# KiCad board fpga.kicad_pcb (continued)
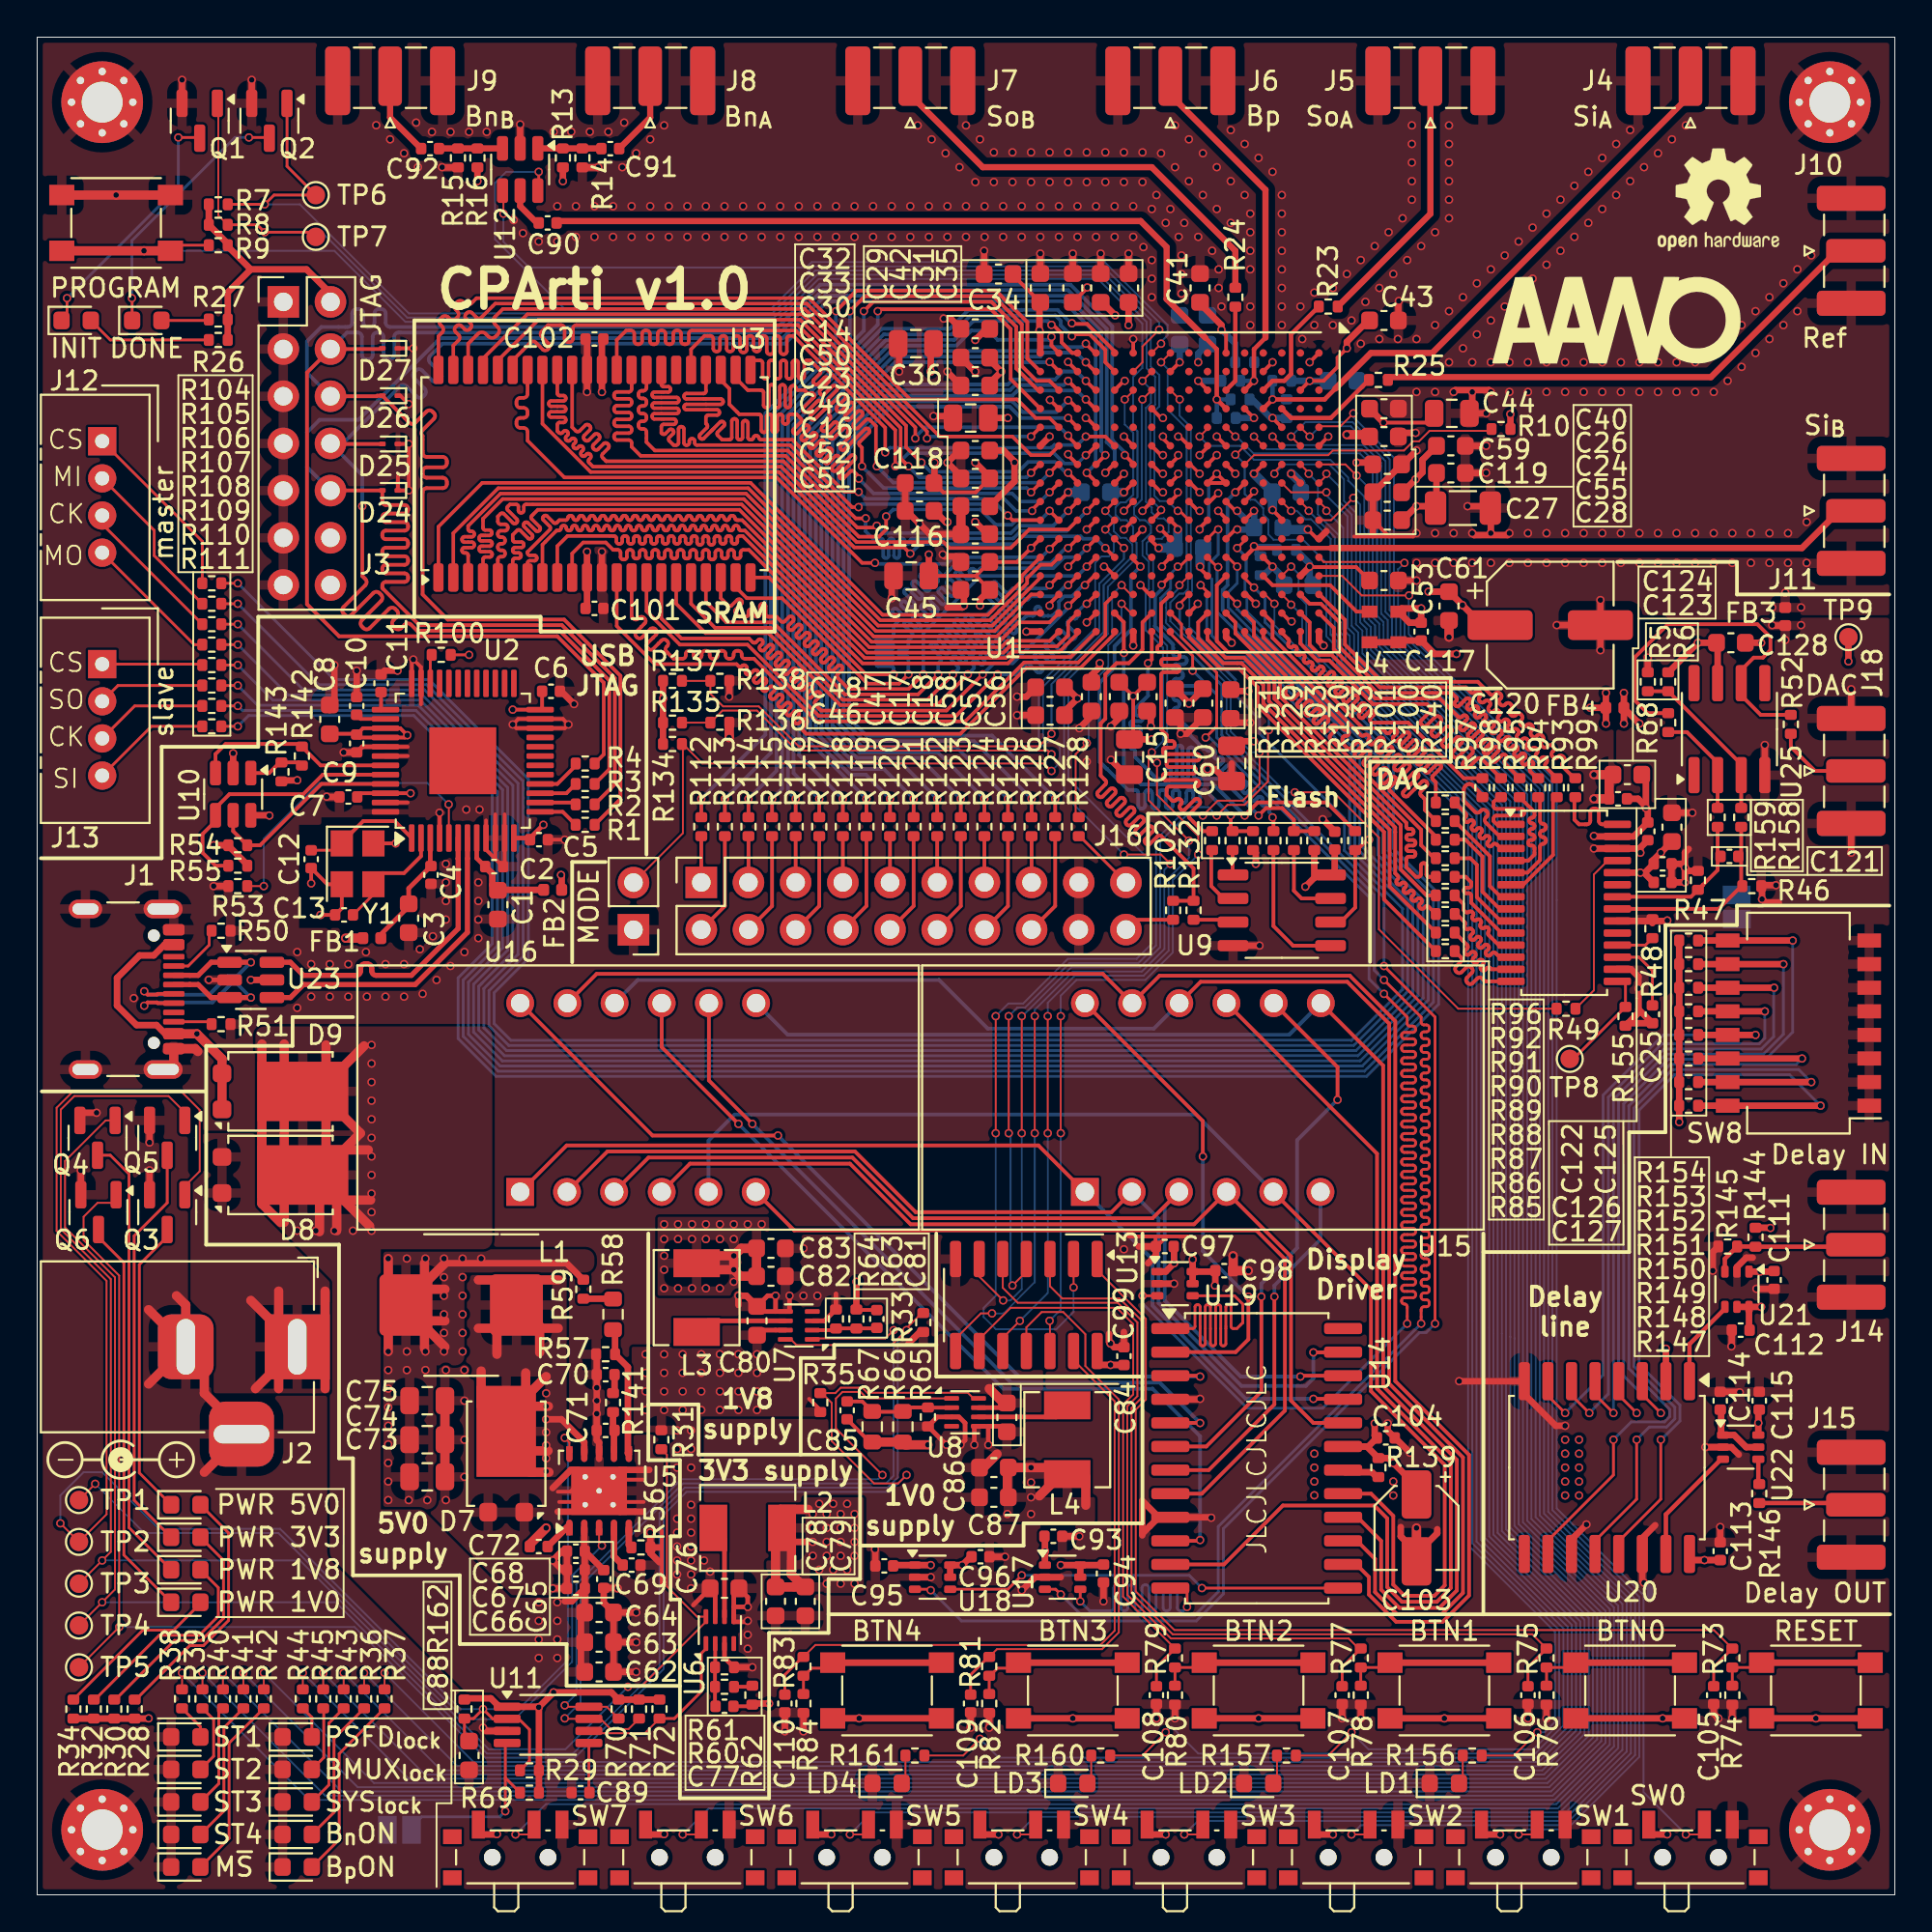
[diagram p0: board, top side]
## Routing (per net, layer and track width the routed paths; a pad name or vN(x,y) marks a point on that pad's centre or on a via; arc(x,y) is an arc through that point) (continued)
/DAC/R_DAC_D10: length 6
  Top w0.199: R95.2 80.6,58.29 80.6,58.1 arc(80.56,58.02) 80.48,57.98 80.44,57.98 arc(80.35,57.95) 80.32,57.86 80.32,57.8 arc(80.35,57.72) 80.44,57.68 80.48,57.68 arc(80.56,57.65) 80.6,57.56 80.6,57.5 arc(80.56,57.42) 80.48,57.38 80.44,57.38 arc(80.35,57.35) 80.32,57.26 80.32,57.2 arc(80.35,57.12) 80.44,57.08 80.48,57.08 arc(80.56,57.05) 80.6,56.96 80.6,56.9 arc(80.56,56.82) 80.48,56.78 80.39,56.78 arc(80.3,56.75) 80.27,56.66 80.27,56.6 arc(80.3,56.52) 80.39,56.48 80.48,56.48 arc(80.56,56.45) 80.6,56.36 80.6,56 80.28,55.67 U24.4
/DAC/R_DAC_D11: length 6.6
  Top w0.199: 79.93,56.33 U24.3 78.78,56.33 78.55,56.56 arc(78.47,56.59) 78.38,56.56 78.3,56.47 arc(78.21,56.43) 78.13,56.47 78.08,56.51 arc(78.05,56.6) 78.08,56.68 78.17,56.77 arc(78.21,56.85) 78.17,56.94 78.13,56.98 arc(78.05,57.02) 77.96,56.98 77.87,56.89 arc(77.79,56.86) 77.7,56.89 77.66,56.93 arc(77.63,57.02) 77.66,57.1 77.75,57.19 arc(77.78,57.28) 77.75,57.36 77.71,57.4 arc(77.62,57.44) 77.54,57.4 77.45,57.31 arc(77.36,57.28) 77.28,57.31 77.24,57.36 arc(77.2,57.44) 77.24,57.53 77.33,57.62 arc(77.36,57.7) 77.33,57.78 77.28,57.83 arc(77.2,57.86) 77.11,57.83 77.06,57.77 arc(76.98,57.74) 76.89,57.77 76.85,57.82 arc(76.81,57.9) 76.85,57.99 76.9,58.04 arc(76.94,58.12) 76.9,58.21 R96.2
/DAC/R_DAC_D12: length 6.1
  Top w0.199: U24.2 78.72,56.97 77.97,57.73 arc(77.92,57.85) 77.97,57.98 78.04,58.05 arc(78.1,58.18) 78.04,58.31 77.98,58.37 arc(77.85,58.42) 77.73,58.37 77.65,58.3 arc(77.53,58.25) 77.4,58.3 76.8,58.9 76.8,59.52 arc(76.82,59.59) 76.86,59.66 76.94,59.74 arc(77.01,59.78) 77.08,59.8 77.12,59.8 arc(77.19,59.78) 77.26,59.74 77.8,59.2 R97.2
/DAC/R_DAC_D13: length 5.7
  Top w0.199: R98.2 78.67,59.09 78.4,58.83 78.4,58.6 arc(78.44,58.5) 78.54,58.46 79.91,58.46 arc(80.01,58.41) 80.05,58.31 80.05,58.24 arc(80.01,58.14) 79.91,58.1 78.54,58.1 arc(78.44,58.05) 78.4,57.95 78.4,57.8 78.66,57.54 79.25,57.54 U24.1
/DAC/R_DAC_MODE: length 9.2
  Top w0.1: U24.25 84.55,55.67 83.8,54.92 83.8,48.69 R49.2
/DAC/SLEEP: length 6
  Top w0.15: U24.15 85.47,49.17 85.5,49.15 R155.2 82.7,45 TP8.1
/FPGA banks 14-15/EMCCLK: length 23
  Top w0.199: v1(65,58.1) 65.7,58.8 69.41,58.8 R140.2 ; v1(58.5,66.85) 58.5,66.85 58.5,68.5 U1.M15
  Bottom w0.199: v1(58.5,66.85) 58.5,66.85 58.5,60.7 59.42,59.78 63.32,59.78 v1(65,58.1)
/FPGA banks 14-15/SPIm_MISO_R: length 9
  Top w0.15: R105.2 6.3,72.09 6.3,73.45 J12.2
/FPGA banks 14-15/SPIm_MOSI_R: length 7.4
  Top w0.15: R107.2 8.45,67.3 J12.4
/FPGA banks 14-15/SPIm_SCK_R: length 8.1
  Top w0.15: R106.2 3.5,73.79 J12.3
/FPGA banks 14-15/SPIm_~{CS}_R: length 9.9
  Top w0.15: J12.1 8.89,72.86 R104.2
/FPGA banks 14-15/SPIs_MISO_R: length 5.7
  Top w0.15: R109.2 4.35,65.1 J13.2
/FPGA banks 14-15/SPIs_MOSI_R: length 6.5
  Top w0.15: R111.2 6.15,62.9 J13.4
/FPGA banks 14-15/SPIs_SCK_R: length 6.1
  Top w0.15: R110.2 5.25,64 J13.3
/FPGA banks 14-15/SPIs_~{CS}_R: length 5.4
  Top w0.15: J13.1 8.84,66.25 R108.2
/FPGA banks 34-35/IO_0: length 44.7
  Top w0.199: U1.T2 53.3,82.7 53.3,84.66 51.61,86.35 44.1,86.35 v1(43,85.25) ; R112.1 v1(35.75,59)
  Bottom w0.199: v1(43,85.25) 43,83.55 39.2,79.75 39.2,62.45 v1(35.75,59)
/FPGA banks 34-35/IO_0_R: length 2.5
  Top w0.199: R112.2 J16.1
/FPGA banks 34-35/IO_1: length 45
  Top w0.199: U1.R3 54.5,81.5 53.8,81.5 53,82.3 53,84.54 51.49,86.05 44.55,86.05 v1(43.75,85.25) ; R113.1 v1(37.02,59)
  Bottom w0.199: v1(43.75,85.25) 43.75,83.87 39.5,79.62 39.5,61.48 v1(37.02,59)
/FPGA banks 34-35/IO_1_R: length 5.6
  Top w0.199: J16.2 37.02,53.23 R113.2
/FPGA banks 34-35/IO_2: length 42.8
  Top w0.199: R114.1 v1(38.29,59) ; v1(44.5,85.25) 45,85.75 51.36,85.75 52.7,84.42 52.7,82.17 53.88,81 U1.T3
  Bottom w0.199: v1(44.5,85.25) 44.5,84.2 39.8,79.5 39.8,60.51 v1(38.29,59)
/FPGA banks 34-35/IO_2_R: length 2.5
  Top w0.199: R114.2 J16.3
/FPGA banks 34-35/IO_3: length 42.2
  Top w0.199: R115.1 v1(39.56,59) ; v1(45.25,85.25) 45.35,85.35 51.34,85.35 52.4,84.29 52.4,81.6 U1.T4
  Bottom w0.199: v1(45.25,85.25) 45.25,84.53 40.1,79.38 40.1,59.54 v1(39.56,59)
/FPGA banks 34-35/IO_3_R: length 5.6
  Top w0.199: J16.4 39.56,53.23 R115.2
/FPGA banks 34-35/IO_4: length 42.5
  Top w0.199: U1.M1 58,83.09 56.52,84.56 55.74,84.56 v1(55.7,84.6) ; R116.1 v1(40.83,59)
  Bottom w0.199: v1(55.7,84.6) 55.65,84.6 54.93,85.32 53,85.32 53,85.31 50.13,85.31 49.12,84.3 45.45,84.3 40.42,79.27 40.42,59.41 v1(40.83,59)
/FPGA banks 34-35/IO_4_R: length 2.5
  Top w0.199: R116.2 J16.5
/FPGA banks 34-35/IO_5: length 43.3
  Top w0.199: v1(55.7,83.9) 55.8,84 56.66,84 57.5,83.16 57.5,82.5 U1.M2 ; R117.1 v1(42.1,59)
  Bottom w0.199: v1(55.7,83.9) 55.69,83.9 55.1,84.48 55.1,84.72 54.81,85.02 53.9,85.02 53.9,85.01 50.26,85.01 49.24,84 45.57,84 40.72,79.15 40.72,60.38 v1(42.1,59)
/FPGA banks 34-35/IO_5_R: length 5.6
  Top w0.199: J16.6 42.1,53.23 R117.2
/FPGA banks 34-35/IO_6: length 40.3
  Top w0.199: v1(54.6,84.51) 54.69,84.51 55.15,84.05 55.15,83.57 55.72,83 U1.P1 ; R118.1 v1(43.37,59)
  Bottom w0.199: v1(43.37,59) 41.02,61.35 41.02,79.02 45.7,83.7 49.37,83.7 50.38,84.72 54.4,84.72 v1(54.6,84.51)
/FPGA banks 34-35/IO_6_R: length 2.5
  Top w0.199: R118.2 J16.7
/FPGA banks 34-35/IO_7: length 39
  Top w0.199: v1(54.6,83.86) 54.6,83.4 U1.R1 ; R119.1 v1(44.64,59)
  Bottom w0.199: v1(44.64,59) 41.32,62.32 41.32,78.9 45.82,83.4 49.49,83.4 50.29,84.2 51.2,84.2 51.7,83.71 54.44,83.71 v1(54.6,83.86)
/FPGA banks 34-35/IO_7_R: length 5.6
  Top w0.199: J16.8 44.64,53.23 R119.2
/FPGA banks 34-35/IO_8: length 40.6
  Top w0.199: U1.N1 56.95,83 v1(56.45,83.5) ; R120.1 v1(45.91,59)
  Bottom w0.199: v1(56.45,83.5) 56.27,83.32 54.1,83.32 53.88,83.1 45.94,83.1 41.62,78.77 41.62,75.3 41.62,62.45 43.76,60.3 44.61,60.3 v1(45.91,59)
/FPGA banks 34-35/IO_8_R: length 2.5
  Top w0.199: R120.2 J16.9
/FPGA banks 34-35/IO_9: length 41.1
  Top w0.199: v1(56.45,82.5) 56.95,82 U1.N2 ; R121.1 v1(47.18,59)
  Bottom w0.199: v1(56.45,82.5) 55.93,83.02 54.22,83.02 54,82.8 46.07,82.8 41.91,78.65 41.91,70.01 41.91,62.57 43.89,60.6 45.58,60.6 v1(47.18,59)
/FPGA banks 34-35/IO_9_R: length 5.6
  Top w0.199: J16.10 47.18,53.23 R121.2
/FPGA banks 34-35/IO_10: length 39.2
  Top w0.199: v1(54.5,82.52) 55,82.02 U1.R2 ; R122.1 v1(48.45,59)
  Bottom w0.199: v1(54.5,82.52) 54.49,82.5 46.19,82.5 42.21,78.53 42.21,62.7 44.01,60.9 46.55,60.9 v1(48.45,59)
/FPGA banks 34-35/IO_10_R: length 2.5
  Top w0.199: R122.2 J16.11
/FPGA banks 34-35/IO_11: length 41.8
  Top w0.199: R123.1 v1(49.72,59) ; v1(56.45,81.5) 56.95,81 U1.N3
  Bottom w0.199: v1(56.45,81.5) 55.95,82 55.23,82 54.8,81.58 52.53,81.58 52.25,81.3 45.41,81.3 42.51,78.4 42.51,62.82 44.13,61.2 47.52,61.2 v1(49.72,59)
/FPGA banks 34-35/IO_11_R: length 5.6
  Top w0.199: R123.2 49.72,53.23 J16.12
/FPGA banks 34-35/IO_12: length 40.9
  Top w0.199: R124.1 v1(50.99,59) ; v1(55.5,81.5) U1.P3
  Bottom w0.199: v1(55.5,81.5) 55.28,81.28 52.65,81.28 52.38,81 45.54,81 42.81,78.28 42.81,62.94 44.26,61.5 48.49,61.5 v1(50.99,59)
/FPGA banks 34-35/IO_12_R: length 2.5
  Top w0.199: R124.2 J16.13
/FPGA banks 34-35/IO_13: length 42.3
  Top w0.199: R125.1 v1(52.26,59) ; U1.N4 56.95,80 v1(56.45,80.5)
  Bottom w0.199: v1(52.26,59) 49.46,61.8 44.4,61.8 43.11,63.09 43.11,78.11 45.7,80.7 52.5,80.7 52.77,80.98 55.97,80.98 v1(56.45,80.5)
/FPGA banks 34-35/IO_13_R: length 5.6
  Top w0.199: R125.2 52.26,53.23 J16.14
/FPGA banks 34-35/IO_14: length 42
  Top w0.199: 55.5,80.4 v1(55.5,80.45) 55.55,80.45 U1.P4 ; R126.1 v1(53.53,59)
  Bottom w0.199: v1(53.53,59) 50.43,62.1 44.52,62.1 43.41,63.21 43.41,77.99 45.83,80.4 52.48,80.4 53.07,79.82 54.87,79.82 v1(55.5,80.45)
/FPGA banks 34-35/IO_14_R: length 2.5
  Top w0.199: R126.2 J16.15
/FPGA banks 34-35/IO_15: length 42.1
  Top w0.199: v1(55.5,79.5) U1.P5 ; R127.1 v1(54.8,59)
  Bottom w0.199: v1(54.8,59) 51.4,62.4 44.65,62.4 43.71,63.34 43.71,77.86 45.95,80.1 52.36,80.1 52.96,79.5 v1(55.5,79.5)
/FPGA banks 34-35/IO_15_R: length 5.6
  Top w0.199: R127.2 54.8,53.23 J16.16
/High frequency/Bn_{A}_C_SMA: length 4.5
  Top w0.332: C91.2 33,95.67 33,97.8
/High frequency/Bn_{A}_SMA: length 3.4
  Top w0.332: C91.1 30.36,94.01 R14.1 R13.2 28.3,94.01 U12.1
/High frequency/Bn_{B}_C_SMA: length 4.5
  Top w0.332: 19,97.8 19,95.67 C92.2
/High frequency/Bn_{B}_SMA: length 3.4
  Top w0.332: C92.1 21.64,94.01 R16.1 R15.2 23.7,94.01 U12.3
/High frequency/HF_Bn_C_SMA: length 2.2
  Top w0.332: U12.5 26,90.9 26.9,90 C90.2
/High frequency/HF_Bn_R_SMA: length 39.2
  Top w0.332: 62.88,83.82 60.8,85.9 60.8,88.7 59.4,90.1 28.06,90.1 C90.1
/High frequency/HF_Bp_R_SMA: length 16.2
  Top w0.332: 66.12,83.82 66.12,91.78 61,96.9 J6.1
/High frequency/HF_Ref_R_SMA: length 28.1
  Top w0.332: J10.1 96.9,88.5 90.1,81.7 72.61,81.7
/High frequency/HF_Si_A_R_SMA: length 26.7
  Top w0.332: J4.1 89,96.9 75.1,83 71.8,83 NT3.2
/High frequency/HF_Si_B_R_SMA: length 29.1
  Top w0.342: NT4.2 95,72.5 97,74.5 J11.1
/High frequency/HF_So_A_R_SMA: length 14.5
  Top w0.332: J5.1 75,90.49 R23.1
/High frequency/HF_So_B_R_SMA: length 24
  Top w0.332: J7.1 47,96.9 50.9,93 60,93 64.5,88.5 R24.1
/LEDs/7SEG_{CLK}_5V: length 21.7
  Top w0.15: v1(53,17.2) 52.25,16.45 U18.4 ; v1(62.7,16.51) U14.13
  Bottom w0.15: v1(53,17.2) 62.01,17.2 v1(62.7,16.51)
/LEDs/7SEG_{DIN}_5V: length 23
  Top w0.15: U14.1 62.22,30.48 arc(62.29,30.52) 62.33,30.6 62.33,31.65 arc(62.36,31.73) 62.44,31.77 62.49,31.77 arc(62.57,31.73) 62.6,31.65 62.6,29.67 arc(62.64,29.59) 62.71,29.56 62.77,29.56 arc(62.85,29.59) 62.88,29.67 62.88,31.65 arc(62.91,31.73) 62.99,31.77 63.05,31.77 arc(63.13,31.73) 63.16,31.65 63.16,29.67 arc(63.19,29.59) 63.27,29.56 63.32,29.56 arc(63.4,29.59) 63.43,29.67 63.43,31.65 arc(63.47,31.73) 63.55,31.77 63.6,31.77 arc(63.68,31.73) 63.71,31.65 63.71,29.67 arc(63.74,29.59) 63.82,29.56 63.88,29.56 arc(63.96,29.59) 63.99,29.67 63.99,31.65 arc(64.02,31.73) 64.1,31.77 64.16,31.77 arc(64.23,31.73) 64.27,31.65 64.27,30.6 arc(64.3,30.52) 64.38,30.48 64.59,30.48 64.9,30.8 64.9,31.8 64.45,32.25 U19.4
/LEDs/7SEG_{LOAD}_5V: length 21.1
  Top w0.15: U14.12 61.78,16.51 61.9,16.4 v1(61.9,15.5) ; v1(56.15,15.8) U17.4
  Bottom w0.15: v1(61.9,15.5) 61.7,15.3 61.52,15.3 arc(61.42,15.34) 61.37,15.45 61.37,16.53 arc(61.33,16.64) 61.22,16.68 61.14,16.68 arc(61.04,16.64) 60.99,16.53 60.99,15.45 arc(60.95,15.34) 60.84,15.3 60.76,15.3 arc(60.66,15.34) 60.61,15.45 60.61,16.53 arc(60.57,16.64) 60.46,16.68 60.38,16.68 arc(60.28,16.64) 60.23,16.53 60.23,15.45 arc(60.19,15.34) 60.08,15.3 60,15.3 arc(59.9,15.34) 59.85,15.45 59.85,16.53 arc(59.81,16.64) 59.7,16.68 59.62,16.68 arc(59.52,16.64) 59.47,16.53 59.47,15.45 arc(59.43,15.34) 59.32,15.3 59.24,15.3 arc(59.14,15.34) 59.09,15.45 59.09,16.53 arc(59.05,16.64) 58.94,16.68 58.86,16.68 arc(58.76,16.64) 58.71,16.53 58.71,15.45 arc(58.67,15.34) 58.56,15.3 58.48,15.3 arc(58.38,15.34) 58.33,15.45 58.33,16.53 arc(58.29,16.64) 58.18,16.68 58.1,16.68 arc(58,16.64) 57.95,16.53 57.95,15.45 arc(57.91,15.34) 57.8,15.3 56.65,15.3 v1(56.15,15.8)
/LEDs/DIG_0: length 26.2
  Top w0.2: v1(65.2,32.2) 65.2,29.9 64.51,29.22 U14.2 ; U15.12 62.75,41.65 v1(62.75,39.75)
  Bottom w0.2: v1(65.2,32.2) 62.75,34.65 v1(62.75,39.75)
/LEDs/DIG_1: length 57.5
  Top w0.2: U14.11 63.88,17.78 67.06,20.96 71.98,20.96 72.67,20.26 72.67,16.56 73.46,15.77 75.35,15.77 76.1,16.52 76.1,23.28 72.13,27.25 72.13,39.89 U15.9
/LEDs/DIG_2: length 30.5
  Top w0.2: v1(65.9,32.2) 65.9,27.1 62.94,24.14 U14.6 ; v1(70,42.8) 70,44.56 U15.8
  Bottom w0.2: v1(70,42.8) 67.82,40.62 67.82,34.83 65.9,32.9 v1(65.9,32.2) ; 66.56,47.64 U15.8
/LEDs/DIG_3: length 19.5
  Top w0.2: U14.7 63.06,22.86 66.6,26.4 v1(66.6,32.2)
  Bottom w0.2: v1(66.6,32.2) 66.6,32.8 69.08,35.28 U15.6
/LEDs/DIG_4: length 46.5
  Top w0.2: v1(39.88,40.88) 33.12,40.88 U16.12 ; v1(62.6,27.9) 62.56,27.94 U14.3
  Bottom w0.2: v1(62.6,27.9) 52.85,27.9 v1(39.88,40.88)
/LEDs/DIG_5: length 47.2
  Top w0.2: U14.10 62.56,19.06 v1(62.6,19.1) ; v1(37.75,41.5) 33.62,45.63 U16.9
  Bottom w0.2: v1(62.6,19.1) 62.6,24.69 60.04,27.25 52,27.25 v1(37.75,41.5)
/LEDs/DIG_6: length 40
  Top w0.2: v1(62.6,25.4) 62.59,25.41 U14.5 ; U16.8 36.16,43.84 v1(38.5,41.5)
  Bottom w0.2: v1(62.6,25.4) 60.43,27.57 52.43,27.57 v1(38.5,41.5) ; 36.25,47.91 U16.8
/LEDs/DIG_7: length 46.2
  Top w0.2: U16.6 40.75,35.77 65.63,35.77 67.17,34.23 67.17,26.07 62.69,21.59 U14.8
/LEDs/SEG_A: length 89.3
  Top w0.2: U16.11 30.12,49.58 57.36,49.58 U15.11 60.42,49.48 70.66,49.48 73.11,47.03 73.11,27.65 77.08,23.69 77.08,16.11 75.66,14.7 73.15,14.7 71.69,16.16 71.69,17.11 71.01,17.78 U14.14
/LEDs/SEG_B: length 76.5
  Top w0.2: U15.7 72.45,44.65 72.45,27.38 76.42,23.41 76.42,16.39 75.48,15.45 73.33,15.45 72.35,16.43 72.35,19.05 71.07,20.33 U14.16
  Bottom w0.2: U16.7 40.4,46.3 67.4,46.3 U15.7
/LEDs/SEG_C: length 49.1
  Top w0.2: U14.20 68.69,25.41 67.5,26.6 67.5,34.36 U15.4 62.28,36.1 47.02,36.1 43.75,39.36 35.14,39.36 U16.4
/LEDs/SEG_D: length 53
  Top w0.2: U14.23 70.28,29.2 v1(68.7,29.2) ; U16.2 30.69,40.02 44.02,40.02 47.29,36.75 57.83,36.75 U15.2
  Bottom w0.2: U15.2 60.37,36.39 60.37,31.86 64.83,27.4 68.3,27.4 68.7,27.8 v1(68.7,29.2)
/LEDs/SEG_DP: length 50.6
  Top w0.2: U14.22 68.04,27.94 v1(68,27.9) ; U15.3 60.04,36.42 47.15,36.42 43.89,39.69 32.91,39.69 U16.3
  Bottom w0.2: U15.3 60.7,37.08 60.7,31.99 64.79,27.9 v1(68,27.9)
/LEDs/SEG_E: length 52.4
  Top w0.2: v1(68.7,26.7) 70.28,26.7 U14.21 ; U16.1 28.5,40.34 53.9,40.34 U15.1
  Bottom w0.2: v1(68.7,26.7) 65.06,26.7 60.04,31.72 60.04,34.2 U15.1
/LEDs/SEG_F: length 87.2
  Top w0.2: U14.15 71.04,19.06 72.02,18.08 72.02,16.29 73.19,15.12 75.62,15.12 76.75,16.25 76.75,23.55 72.78,27.52 72.78,46.89 70.52,49.15 62.63,49.15 U15.10
  Bottom w0.2: U15.10 60.11,46.63 51.17,46.63 48.55,49.25 32.33,49.25 U16.10
/LEDs/SEG_G: length 70.6
  Top w0.2: U15.5 71.8,32.58 71.8,27.11 75.77,23.14 75.77,16.66 75.21,16.1 73.6,16.1 73,16.7 73,20.4 71.81,21.59 U14.17
  Bottom w0.2: U15.5 62.38,42 37.54,42 36.14,40.6 U16.5
/Power/PG_1V0: length 101.8
  Top w0.1: 50.68,26.73 50.4,26.73 50.1,27.03 44.69,27.03 44.42,27.3 43.26,27.3 42.97,27.01 R35.2 42.24,27.01 42.77,26.48 42.77,24.43 45.05,22.15 46.35,22.15 v1(46.8,22.6) ; Q6.1 4.25,37.25 3.25,37.25 2.5,36.5 2.5,35.25 4.42,33.33 4.42,14.42 v1(4.42,14.42) TP5.1
  Bottom w0.1: v1(46.8,22.6) 45.89,21.69 34.96,21.69 33.73,20.46 33.73,12.16 28.95,7.38 24.12,7.38 17.08,14.42 v1(4.42,14.42)
/Power/PG_1V8: length 104.2
  Top w0.1: U7.8 40.58,29.9 40.88,29.6 46,29.6 v1(46.8,30.4) 46.8,30.5 47.62,31.32 R33.2 ; TP4.1 v1(3.5,15.75) 4.19,16.44 4.19,33.24 1.5,35.93 1.5,39.5 3.69,41.69 Q4.1
  Bottom w0.1: v1(46.8,30.4) 46.33,29.93 46.33,22.46 45.78,21.92 34.86,21.92 33.5,20.56 33.5,12.26 28.85,7.61 24.21,7.61 16.07,15.75 v1(3.5,15.75)
/Power/PG_3V3: length 85.2
  Top w0.1: Q5.1 7.95,42.12 7.07,43 2,43 1.27,42.27 1.27,35.83 3.96,33.14 3.96,18.46 v1(3.5,18) TP3.1 ; R31.2 33.9,23.69 33.9,16.6 35.53,14.97 U6.8 36,14.7 32.5,11.2 v1(31.8,11.2)
  Bottom w0.1: v1(3.5,18) 14.14,18 24.31,7.84 28.44,7.84 v1(31.8,11.2)
/Power/PG_5V0: length 96.7
  Top w0.1: v1(1.25,20) TP2.1 3.74,20.49 3.74,33.05 1.05,35.74 1.05,42.37 1.91,43.23 7.77,43.23 8.75,42.25 8.75,38.95 7.95,38.15 Q3.1 ; U5.10 28.65,24.35 v1(28.4,24.6)
  Top w0.15: R29.2 26.5,7.21 26.5,8.9 25.93,9.47 U11.2 24.53,9.47 v1(24,10) 23.49,9.49 R162.1 23,8.53 C88.2 23.45,8.28
  Bottom w0.1: v1(1.25,20) 1.25,21.5 2.5,22.75 3.5,22.75 6.55,19.7 13.08,19.7 22.78,10 v1(24,10) 25.93,10 28.57,12.64 28.57,24.43 v1(28.4,24.6)
/Power/SW_5V: length 43.8
  Top w0.35: D7.3 25.25,25.75 ; D7.3 25.25,23.95 26.5,22.7 ; D7.3 26.6,26.3 ; D7.3 26.3,23.9 ; D7.3 26.3,26 ; v1(27.4,25.6) 28.22,25.6 29.45,24.37 U5.9
  Top w0.5: 26.3,26 26.3,28.1 ; 26.3,23.9 27.5,23.9 ; 23.75,30.5 28.05,30.5 ; 23.75,33.1 28.05,33.1 ; 26.55,22.75 27.55,22.75 ; 25.25,25.75 27.4,27.9 ; 24.75,30.58 24.75,29.1 ; v1(27.4,19.75) 26.52,18.87 C72.1 ; 23.9,28.2 23.9,26.3 D7.3 ; 26.6,26.3 27.52,26.3 ; 27.05,30.62 27.05,29.2
  In2(VCC).Cu w0.5: v1(27.4,19.75) v1(27.4,27)
  vias: v1(27.4,26.3) v1(27.4,24.9) v1(27.4,24.2) v1(27.4,23.5) v1(27.4,22.8)
/Programmable delay/DelayIN_50Ohm: length 8.1
  Top w0.235: U21.3 90.85,34.24 R145.1 92.49,34.9 R144.2 97.79,34.89 J14.1
/Programmable delay/DelayIN_{5V}_50Ohm: length 5.6
  Top w0.235: 88.94,27.59 88.94,28.38 ; U21.4 90.85,31.55 88.94,29.64 U20.1
/Programmable delay/DelayOUT_50Ohm: length 5.2
  Top w0.235: R146.1 97.81,21.09 J15.1
/Programmable delay/DelayOUT_R_50Ohm: length 1.4
  Top w0.235: R146.2 92.65,22.16 U22.4
/Programmable delay/DelayOUT_{5V}_50Ohm: length 6.4
  Top w0.235: U20.15 87.68,20.47 90.65,23.45 U22.3
/Programmable delay/P0: length 40.3
  Top w0.15: v1(87.4,25.94) 86.41,26.93 86.41,27.59
  Top w0.35: R154.1 SW8.9 v1(94.5,51.37)
  Bottom w0.15: v1(94.5,51.37) 94.5,46.44 93.04,44.98 87.8,44.98 85.4,42.59 85.4,27.93 v1(87.4,25.94)
/Programmable delay/P1: length 38
  Top w0.15: v1(86.1,25.94) 85.13,26.9 85.13,27.59
  Top w0.35: v1(94,50.1) SW8.10 R153.1
  Bottom w0.15: v1(94,50.1) 94,46.33 92.93,45.26 87.68,45.26 85.13,42.7 85.13,26.91 v1(86.1,25.94)
/Programmable delay/P2: length 35.7
  Top w0.15: 83.87,27.59 83.87,26.92 v1(84.85,25.94)
  Top w0.35: R152.1 SW8.11 v1(93.5,48.83)
  Bottom w0.15: v1(93.5,48.83) 93.48,48.81 93.48,46.2 92.81,45.53 87.57,45.53 84.85,42.82 v1(84.85,25.94)
/Programmable delay/P3: length 34.2
  Top w0.15: v1(83.55,25.94) 82.59,26.89 82.59,27.59
  Top w0.35: R151.1 SW8.12 v1(93,47.56)
  Bottom w0.15: v1(93,47.56) 93,46.11 92.7,45.81 87.45,45.81 84.57,42.93 84.57,26.96 v1(83.55,25.94)
/Programmable delay/P4: length 32.6
  Top w0.15: 81.32,27.59 81.32,26.86 v1(82.25,25.94)
  Top w0.35: v1(92.5,46.29) SW8.13 R150.1
  Bottom w0.15: v1(82.25,25.94) 84.3,27.98 84.3,43.05 87.54,46.29 v1(92.5,46.29)
/Programmable delay/P5: length 44.8
  Top w0.15: v1(84.85,24.5) 84.85,22.6 81.32,19.08 81.32,18.29
  Top w0.35: v1(95,45.02) SW8.14 R149.1
  Bottom w0.15: v1(95,45.02) 94.68,44.7 87.91,44.7 85.68,42.47 85.68,28.33 87.88,26.14 87.88,25.74 87.6,25.46 85.81,25.46 v1(84.85,24.5)
/Programmable delay/P6: length 44.1
  Top w0.15: 83.87,18.29 83.87,19.06 86.1,21.3 v1(86.1,24.5)
  Top w0.35: v1(95.5,43.75) SW8.15 R148.1
  Bottom w0.15: v1(95.5,43.75) 94.82,44.43 88.03,44.43 85.96,42.36 85.96,28.45 88.16,26.25 88.16,25.62 87.71,25.18 86.78,25.18 v1(86.1,24.5)
/Programmable delay/P7: length 44.1
  Top w0.15: v1(87.4,24.5) 87.4,21.3 85.13,19.03 85.13,18.29
  Top w0.35: v1(96,42.48) SW8.16 R147.1
  Bottom w0.15: v1(96,42.48) 94.33,44.15 88.14,44.15 86.24,42.24 86.24,28.56 88.43,26.37 88.43,25.51 87.42,24.5 v1(87.4,24.5)
/USB/EECLK: length 14.3
  Top w0.199: R55.2 9.6,55.4 8.9,56.1 8.9,57.1 9.6,57.8 U10.4 9.6,58.5 10.35,59.25 14.33,59.25 15.38,60.3 U2.44
/USB/EECS: length 10.7
  Top w0.199: U10.5 10.55,57.26 R54.2 12,56.5 15.3,59.8 U2.45
/USB/EEDATA: length 10.9
  Top w0.199: U10.3 9.6,61.41 10.15,61.95 14.11,61.95 R142.2 15.26,60.8 U2.43
/USB/JTAG_R_TCK: length 2.2
  Top w0.199: U2.13 28.29,58.3 R1.1
/USB/JTAG_R_TDI: length 2.1
  Top w0.148: 28.89,58.8 R2.1
  Top w0.199: U2.14 28.89,58.8 R2.1
/USB/JTAG_R_TDO: length 2.1
  Top w0.199: U2.15 28.49,59.3 R3.1
/USB/JTAG_R_TMS: length 2.4
  Top w0.199: U2.16 28,59.8 28.99,60.79 R4.1
/USB/USB_D+: length 12.7
  Top w0.2: J1.B6 7.33,48.02 ; J1.B6 7.34,47.98 ; J1.B6 6.49,48 6.45,48.04 5.94,48.04 v1(5.76,47.86)
  Top w0.277: v1(11.5,48.3) U23.3 9.37,48.3 8.67,49 8.22,49 8.22,49 J1.A6
  Bottom w0.2: v1(11.5,48.3) 10.76,49.04 10.44,49.04 9.44,48.04 5.94,48.04 v1(5.76,47.86)
/USB/USB_D-: length 12.7
  Top w0.2: J1.A7 6.49,48.5 6.45,48.46 5.94,48.46 v1(5.76,48.64) ; J1.A7 7.33,48.48 ; J1.A7 7.34,48.52
  Top w0.277: J1.B7 8.22,49.5 8.22,49.5 8.67,49.5 9.37,50.2 U23.1 v1(11.5,50.2)
  Bottom w0.2: v1(5.76,48.64) 5.94,48.46 9.26,48.46 10.26,49.46 10.76,49.46 v1(11.5,50.2)
/USB/USB_D_N: length 17.1
  Top w0.277: U2.6 22.66,55.78 22.66,55.78 22.66,52.02 20.15,49.5 18.25,49.5 arc(18.08,49.57) 18.01,49.74 18.01,49.88 arc(17.94,50.05) 17.77,50.12 17.65,50.12 arc(17.48,50.05) 17.41,49.88 17.41,49.74 arc(17.34,49.57) 17.17,49.5 14.33,49.5 13.63,50.2 U23.6
/USB/USB_D_P: length 17.1
  Top w0.277: U2.7 23.16,55.78 23.16,55.78 23.16,51.81 20.35,49 14.33,49 13.63,48.3 U23.4
B_{n}ON: length 141.3
  Top w0.1: U1.B9 68.45,74.55 v1(68.45,74.5) ; R36.1 v1(17.6,11.95)
  Bottom w0.1: v1(68.45,74.5) 68.45,74.49 69.85,73.08 69.85,67.93 70.2,67.58 70.2,66.36 78.16,58.4 78.16,30.51 78.16,19.3 82.84,14.62 82.84,8.84 80.93,6.93 22.62,6.93 v1(17.6,11.95)
B_{p}ON: length 140.4
  Top w0.1: U1.C9 v1(67.5,74.5) ; R37.1 v1(18.7,11.95)
  Bottom w0.1: v1(67.5,74.5) 67.81,74.5 68.26,74.05 68.57,74.05 69.63,72.99 69.63,67.84 69.98,67.49 69.98,66.26 77.94,58.3 77.94,19.21 82.61,14.53 82.61,8.94 80.83,7.16 23.5,7.16 v1(18.7,11.95)
BMUX_{lock}: length 144.2
  Top w0.1: v1(69.4,74.5) 69.4,74.6 U1.A9 ; R45.1 v1(15.4,11.95)
  Bottom w0.1: v1(15.4,11.95) 20.88,6.47 81.11,6.47 83.29,8.65 83.29,14.81 78.62,19.49 78.62,58.58 70.66,66.54 70.66,67.77 70.31,68.12 70.31,73.59 v1(69.4,74.5)
BTN0: length 63.3
  Top w0.1: v1(66.3,62.7) 66.25,62.65 66.25,59.93 64.99,58.67 64.07,58.67 v1(63.5,58.1) ; v1(52.5,32.8) 53.25,33.55 U13.4 ; U1.J3 v1(61.5,80.5) ; v1(52.3,41) v1(52.3,47.3)
  Bottom w0.1: v1(52.3,41) 52.4,40.9 52.4,32.9 v1(52.5,32.8) ; v1(61.5,80.5) 61.5,79.62 62.11,79.02 62.11,71.1 62.17,71.03 62.17,70.18 62.02,70.03 62.02,68.25 63.88,66.39 65.04,66.39 66.3,65.13 v1(66.3,62.7) ; v1(63.5,58.1) 63.05,58.55 61.98,58.55 60.23,56.8 60.23,51.11 59.28,50.16 55.57,50.16 53.17,47.75 52.75,47.75 v1(52.3,47.3)
BTN1: length 66.8
  Top w0.1: v1(65.8,61.5) 65.8,59.8 64.9,58.9 63.55,58.9 v1(62.75,58.1) ; v1(60.5,82.5) U1.J1 ; v1(52,32) 50.71,33.29 U13.6 ; v1(53,41) v1(53,47.3)
  Bottom w0.1: v1(62.75,58.1) 61.85,58.1 60.45,56.7 60.45,51.01 59.37,49.93 55.67,49.93 53.04,47.3 v1(53,47.3) ; v1(65.8,61.5) 65.37,61.5 64.25,62.62 64.25,65.31 61,68.56 61,69.56 61.48,70.05 61.71,70.05 61.94,70.28 61.94,70.94 61.88,71.01 61.88,78.92 60.85,79.95 60.85,82.15 v1(60.5,82.5) ; v1(52,32) 52.4,32 53,32.6 v1(53,41)
BTN2: length 66.2
  Top w0.1: v1(51.4,31.3) 50.8,31.3 49.44,29.94 U13.8 ; U1.L3 59,80.96 v1(58.54,80.5) ; v1(58.5,56) 60.5,56 v1(61,55.5) ; v1(53.7,41) v1(53.7,47.3)
  Bottom w0.1: v1(51.4,31.3) 52.02,31.3 53.7,32.98 v1(53.7,41) ; v1(58.5,56) 55.28,59.22 55.28,65.53 57.63,67.88 57.63,70.4 59.18,71.95 59.18,72.78 59,72.96 59,73.64 58.64,74 58.32,74 58.05,74.28 58.05,74.69 58.31,74.95 58.6,74.95 59,75.36 59,78.7 58.54,79.16 v1(58.54,80.5) ; v1(61,55.5) 60.68,55.18 60.68,50.92 59.47,49.7 55.76,49.7 53.7,47.64 v1(53.7,47.3)
BTN3: length 61
  Top w0.1: v1(62,56.75) 59.83,58.92 59.83,61.33 v1(60,61.5) ; v1(54.4,41) v1(54.4,47.3) ; U1.K3 v1(59.5,80.5) ; U13.10 51.98,29.98 v1(52.9,30.9)
  Bottom w0.1: v1(54.4,47.3) 54.4,48.02 55.86,49.48 59.56,49.48 60.91,50.82 60.91,54.73 62,55.82 v1(62,56.75) ; v1(59.5,80.5) 59.46,80.46 59.46,75.1 59.05,74.69 59.05,74.31 59.36,74 59.64,74 59.95,73.69 59.95,73.31 59.5,72.86 59.5,72.09 59.84,71.75 59.84,70.3 59.67,70.12 59.67,68.08 60.6,67.15 60.6,62.1 v1(60,61.5) ; v1(52.9,30.9) 54.4,32.4 v1(54.4,41)
BTN4: length 62.1
  Top w0.1: 60,81.9 U1.K2 v1(59.5,81.5) ; v1(60.28,60.94) 60.28,59.22 62.5,57 v1(62.5,56) ; v1(54.5,30.9) 54.52,30.88 U13.12 ; v1(55.1,41) v1(55.1,47.3)
  Bottom w0.1: v1(62.5,56) 61.13,54.64 61.13,50.73 59.66,49.25 55.95,49.25 55.1,48.4 v1(55.1,47.3) ; v1(55.1,41) 55.1,31.5 v1(54.5,30.9) ; v1(60.28,60.94) 60.28,61.14 60.83,61.68 60.83,67.24 59.89,68.17 59.89,70.03 60.07,70.21 60.07,71.84 59.73,72.19 59.73,72.76 59.96,73 60.54,73 60.9,73.36 60.9,73.84 60.65,74.1 60.31,74.1 60,74.41 60,74.68 59.69,74.99 59.69,80.04 59.95,80.31 59.95,81.05 v1(59.5,81.5)
BTN_RST: length 58
  Top w0.1: U13.2 v1(55.79,32.7) ; v1(51.6,41) v1(51.6,47.3) ; U1.L14 58.88,70 v1(58.38,70.5)
  Bottom w0.1: v1(58.38,70.5) 57.86,69.99 57.86,67.79 55.51,65.44 55.51,60.07 60,55.58 60,51.2 59.19,50.39 55.48,50.39 53.08,47.98 52.28,47.98 v1(51.6,47.3) ; v1(55.79,32.7) 55.79,31.38 54.86,30.45 51.61,30.45 50.95,31.11 50.95,31.59 51.6,32.24 v1(51.6,41)
DAC_CLK: length 22.3
  Top w0.199: U1.A14 69.03,70 70.4,68.63 70.4,67.3 72.4,65.3 77.55,65.3 78.22,64.63 arc(78.33,64.58) 78.45,64.63 78.5,64.68 arc(78.62,64.73) 78.73,64.68 78.79,64.63 arc(78.83,64.51) 78.79,64.4 78.73,64.35 arc(78.68,64.23) 78.73,64.12 78.79,64.06 arc(78.9,64.02) 79.01,64.06 79.07,64.12 arc(79.18,64.16) 79.29,64.12 79.35,64.06 arc(79.4,63.95) 79.35,63.83 79.3,63.78 arc(79.25,63.67) 79.3,63.55 79.35,63.5 arc(79.47,63.45) 79.58,63.5 79.63,63.55 arc(79.75,63.6) 79.86,63.55 79.92,63.5 arc(79.96,63.38) 79.92,63.27 79.86,63.21 arc(79.82,63.1) 79.86,62.99 79.92,62.93 arc(80.03,62.88) 80.15,62.93 80.2,62.99 arc(80.31,63.03) 80.43,62.99 80.48,62.93 arc(80.53,62.82) 80.48,62.7 80.43,62.65 arc(80.38,62.54) 80.43,62.42 80.48,62.37 arc(80.6,62.32) 80.71,62.37 80.77,62.42 arc(80.88,62.47) 80.99,62.42 81.05,62.36 arc(81.1,62.25) 81.05,62.14 80.99,62.08 arc(80.95,61.97) 80.99,61.86 81.05,61.8 arc(81.16,61.75) 81.28,61.8 81.33,61.85 arc(81.44,61.9) 81.56,61.85 81.61,61.8 arc(81.66,61.69) 81.61,61.57 81.56,61.52 arc(81.51,61.4) 81.56,61.29 81.62,61.23 arc(81.73,61.19) 81.84,61.23 81.9,61.29 arc(82.01,61.34) 82.12,61.29 82.18,61.23 arc(82.23,61.12) 82.18,61.01 82.12,60.95 arc(82.08,60.84) 82.12,60.72 82.74,60.11 R99.1
DAC_D0: length 23.3
  Top w0.199: R85.1 72.5,53.59 72.5,57.21 65.7,64.01 65.7,65.01 64.71,66 63.72,66 62,67.72 U1.H16
DAC_D1: length 23.3
  Top w0.199: R86.1 72.8,54.29 72.8,57.34 66,64.14 66,65.13 64.84,66.3 63.84,66.3 62.5,67.64 62.5,68.5 U1.G15